# KiCad board ISA_PC104 Backplane.kicad_pcb (continued)
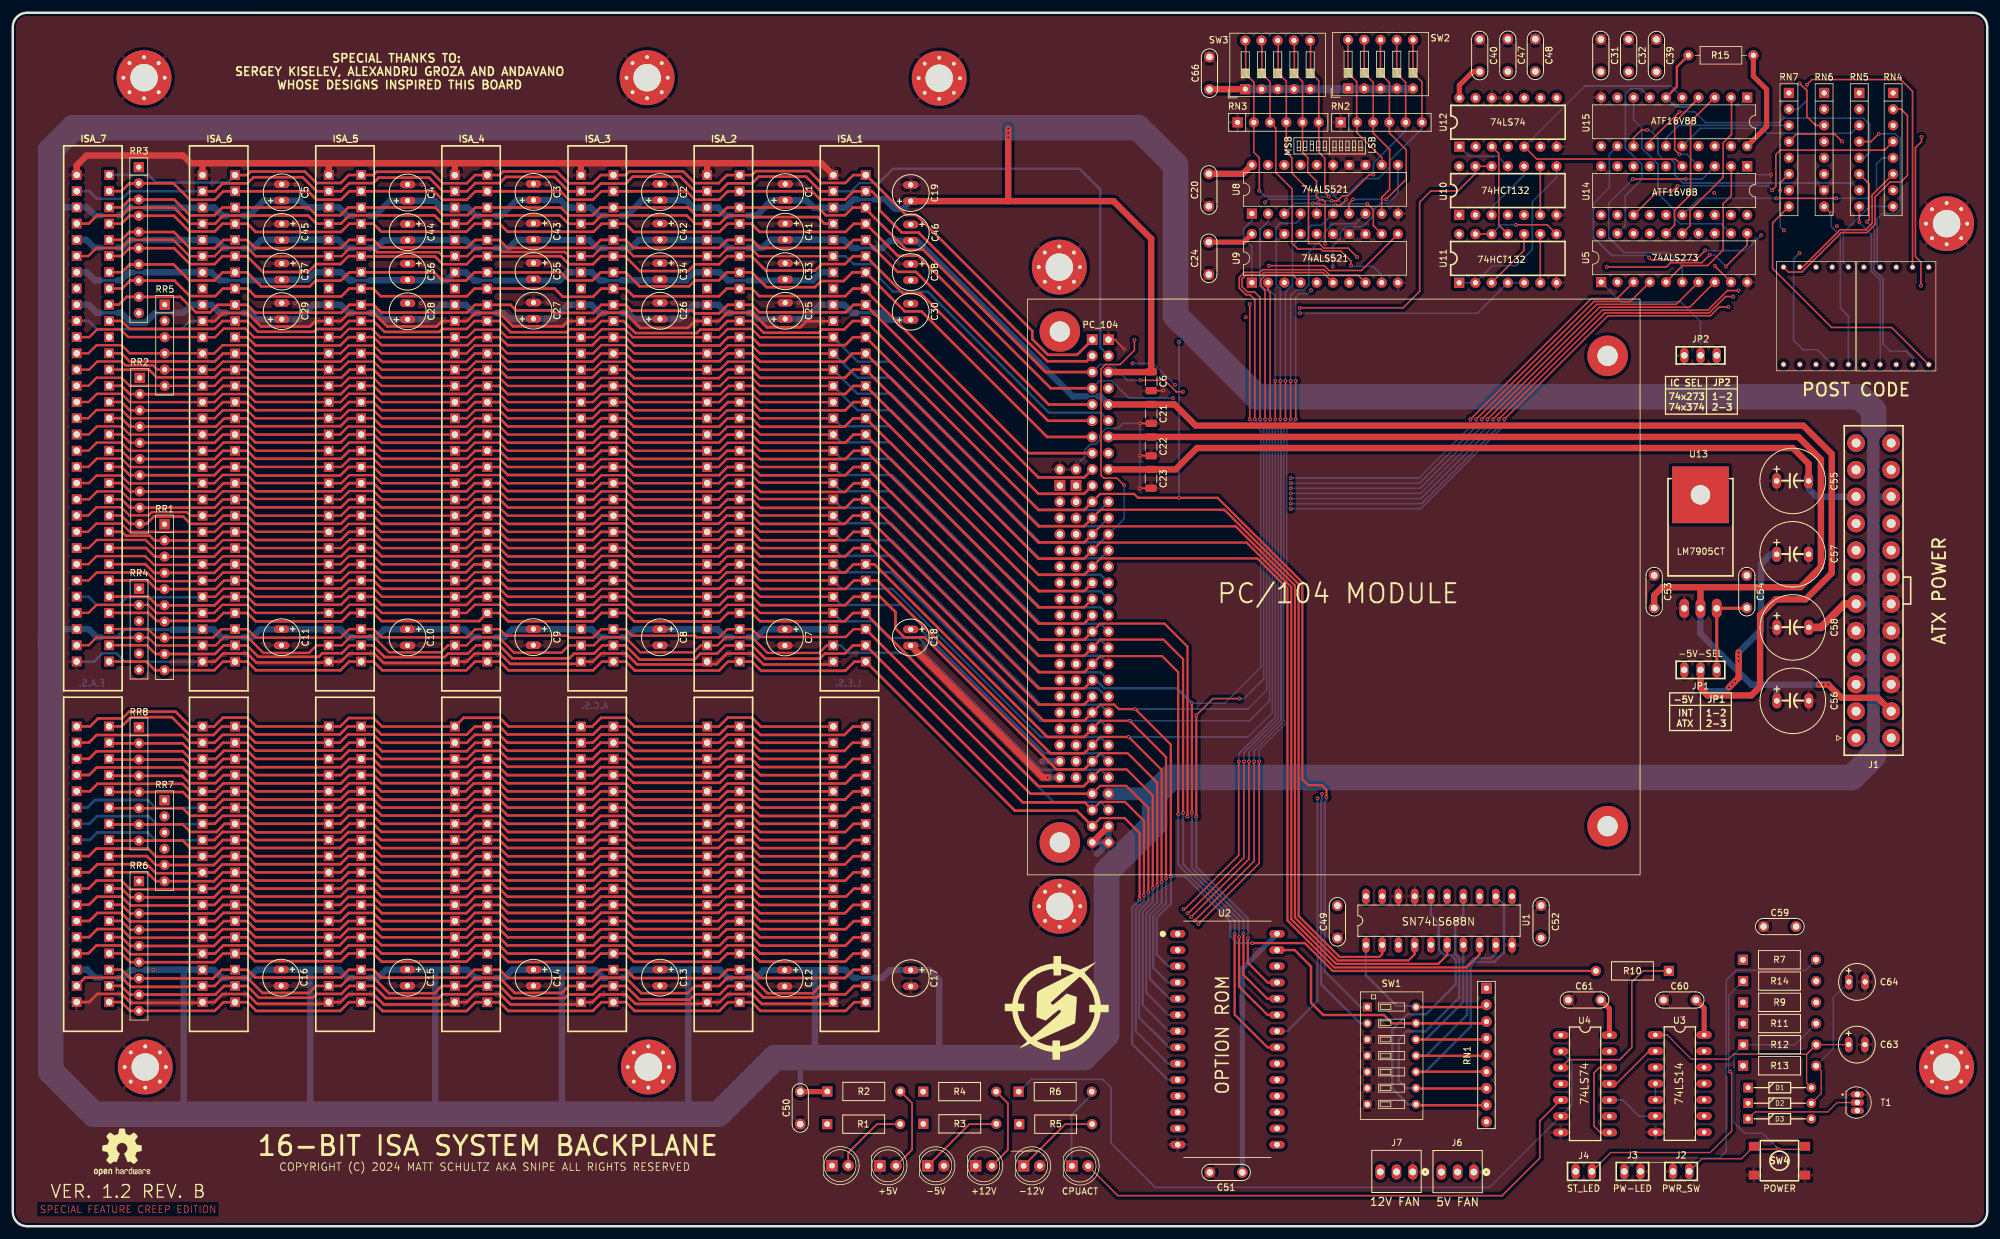
[diagram p0: board, top side]
## Routing (per net, layer and track width the routed paths; a pad name or vN(x,y) marks a point on that pad's centre or on a via; arc(x,y) is an arc through that point) (continued)
/LA22: length 184.2
  Top w0.42: ISA_1.83 131.51,73.18 130.24,71.91 116.92,71.91 115.65,73.18 ISA_2.83 111.78,73.18 110.52,71.92 97.14,71.92 95.88,73.18 ISA_3.83 92.01,73.18 90.79,71.96 77.43,71.96 76.21,73.18 ISA_4.83 72.34,73.18 71.09,71.93 57.65,71.93 56.39,73.19 ISA_5.83 52.66,73.19 51.36,71.89 38.04,71.89 36.75,73.18 ISA_6.83 32.94,73.18 31.65,71.89 27.84,71.89 26.65,73.08 15.2,73.08
  In1.Cu w0.42: PC_104.C3 165.15,109.64 158.78,109.64 144.09,94.95 144.09,75.94 141.33,73.18 ISA_1.83
/LA23: length 183.2
  Top w0.42: ISA_1.82 131.43,75.72 130.15,74.44 116.97,74.44 115.69,75.72 ISA_2.82 111.81,75.72 110.54,74.45 97.18,74.45 95.91,75.72 ISA_3.82 91.97,75.72 90.72,74.47 77.4,74.47 76.15,75.72 ISA_4.82 72.38,75.72 71.04,74.38 57.81,74.38 56.46,75.73 ISA_5.82 52.62,75.73 51.37,74.48 37.98,74.48 36.74,75.72 ISA_6.82 32.88,75.72 31.6,74.44 27.79,74.44 26.61,75.62 15.2,75.62
  In1.Cu w0.42: PC_104.C2 165.14,112.17 158.81,112.17 143.27,96.63 143.27,79.45 139.54,75.72 ISA_1.82
/LS47_PULLUP: length 35
  Top w0.25: v1(260.85,167.88) 260.11,168.62 260.11,172.89 263.84,176.61
  Top w0.378: U15.6 260.45,178.47 260.45,181.56 R15.1
  In2.Cu w0.25: 258.81,166.01 260.14,164.68 262.57,164.68 263.89,166.01
  Bottom w0.25: U15.4 262.35,175.28 260.25,175.28 U15.6 ; v1(260.85,167.88) 262.02,167.88 263.89,166.01
/MASTER: length 187.8
  Top w0.42: ISA_1.79 126.36,37.62 125.22,36.48 118.12,36.48 115.69,38.91 111.85,38.91 110.56,37.62 ISA_2.79 106.73,37.62 105.6,36.49 98.37,36.49 95.95,38.91 92.01,38.91 90.72,37.62 ISA_3.79 87.03,37.62 85.94,36.53 78.57,36.53 76.21,38.89 72.34,38.89 71.07,37.62 ISA_4.79 67.12,37.62 65.98,36.48 58.9,36.48 56.46,38.92 52.67,38.92 51.38,37.63 ISA_5.79 47.45,37.63 46.35,36.53 39.08,36.53 36.72,38.89 32.86,38.89 31.59,37.62 ISA_6.79 27.79,37.62 27.66,37.49 18.48,37.49 17.03,38.94 11.3,38.94 ISA_7.79
  In2.Cu w0.42: PC_104.D17 158.82,75.35 155.07,71.61 155.07,63.27 135.73,43.92 132.24,43.92 131,42.68 131,38.78 129.84,37.62 ISA_1.79
/OSC: length 185.6
  Top w0.378: ISA_6.30 31.75,90.96 33.06,92.27 36.74,92.27 39.23,89.78 46.35,89.78 47.54,90.97 ISA_5.30 51.5,90.97 52.87,92.34 56.43,92.34 58.89,89.88 67.01,89.88 68.09,90.96 ISA_4.30 71.03,90.96 72.3,92.23 76.04,92.23 78.44,89.83 85.9,89.83 87.03,90.96 ISA_3.30 90.94,90.96 92.21,92.23 95.86,92.23 98.21,89.88 106.58,89.88 107.66,90.96 ISA_2.30 110.31,90.96 111.59,92.24 115.67,92.24 118.13,89.78 126.2,89.78 127.38,90.96 ISA_1.30 ; 29.69,90.95 22.44,90.95 21.23,92.16 13.05,92.16 11.87,90.98 ISA_7.30
  Bottom w0.378: ISA_1.30 129.59,90.96 130.74,89.81 139.52,89.81 162.9,66.43 170.26,66.43 PC_104.B30
  Bottom w0.5: 20.9,92.23 18.5,92.23
/RDY/~{B}: length 67.8
  In2.Cu w0.378: U2.1 186.04,45.79 192.38,39.46 203.27,39.46 207.3,35.43 207.3,26.03 210.43,22.91 215.43,22.91 217.02,21.31 217.02,18.21 218.9,16.33 230.63,16.33
/RESET: length 281.6
  Top w0.25: v1(201.43,143.78) 201.48,143.83 217.6,143.83 220.2,146.43 220.2,160.38 221.95,162.13 226.18,162.13 228.92,164.87 U10.13 U10.12
  Top w0.42: ISA_3.2 87.03,162.08 84.78,164.33 77.18,164.33 76.21,163.36 72.38,163.36 71.1,162.08 ISA_4.2 67.29,162.08 65.14,164.23 57.29,164.23 56.42,163.36 52.64,163.36 51.37,162.09 ISA_5.2 47.54,162.09 45.35,164.28 37.67,164.28 36.71,163.32 32.89,163.32 31.65,162.08 ISA_6.2 ; 88.22,162.08 90.81,162.08 92.03,163.3 95.95,163.3 97.02,164.37 104.46,164.37 106.75,162.08 ISA_2.2 110.66,162.08 111.91,163.33 115.7,163.33 116.75,164.38 124.15,164.38 126.45,162.08 ISA_1.2
  In1.Cu w0.25: PC_104.B2 178.97,143.78 v1(201.43,143.78)
  Bottom w0.378: PC_104.B2 170.2,137.61 170.2,162.38 166.98,165.6 137.75,165.6 135.53,163.38 132.52,163.38 131.22,162.08 ISA_1.2
  Bottom w0.42: ISA_6.2 18.25,162.08 17.1,160.93 13.15,160.93 11.98,162.1 ISA_7.2
/SBHE: length 184.5
  Top w0.42: ISA_1.81 131.48,78.26 130.16,76.94 117.01,76.94 115.69,78.26 ISA_2.81 111.84,78.26 110.59,77.01 97.19,77.01 95.94,78.26 ISA_3.81 92.09,78.26 90.84,77.01 77.44,77.01 76.19,78.26 ISA_4.81 72.31,78.26 71.04,76.99 57.68,76.99 56.4,78.27 ISA_5.81 52.44,78.27 51.18,77.01 37.96,77.01 36.71,78.26 ISA_6.81 32.74,78.26 31.41,76.93 27.7,76.93 24.9,79.73 18.5,79.73 17.05,78.28 ISA_7.81
  In1.Cu w0.42: PC_104.C1 165.14,114.71 158.81,114.71 142.45,98.35 142.45,81.43 139.28,78.26 ISA_1.81
/TC: length 178.9
  Top w0.378: ISA_6.27 31.69,98.58 32.95,99.84 36.67,99.84 37.92,98.59 ISA_5.27 51.38,98.59 52.68,99.89 56.47,99.89 57.78,98.58 ISA_4.27 71.06,98.58 72.35,99.87 76.18,99.87 77.46,98.59 88.92,98.59 ; ISA_3.27 90.91,98.58 92.14,99.81 95.97,99.81 97.2,98.58 ISA_2.27 110.54,98.58 111.83,99.87 115.68,99.87 116.97,98.58 ISA_1.27
  Bottom w0.378: PC_104.B27 170.23,74.08 161.49,74.08 142.33,93.24 142.33,94.08 139.13,97.28 129.72,97.28 ISA_1.27 ; ISA_7.27 11.85,98.6 13.11,97.34 16.71,97.34 17.87,98.5 29.62,98.5
/~{DACK0}: length 181.9
  Top w0.42: ISA_6.70 31.57,60.48 32.83,61.74 36.7,61.74 37.95,60.49 ISA_5.70 51.28,60.49 52.5,61.71 56.44,61.71 57.68,60.48 ISA_4.70 71.06,60.48 72.35,61.77 76.22,61.77 77.51,60.48 ISA_3.70 90.76,60.48 92.02,61.74 95.92,61.74 97.18,60.48 ISA_2.70 110.5,60.48 111.8,61.78 115.68,61.78 116.98,60.48 ISA_1.70
  In2.Cu w0.42: PC_104.D8 158.78,98.21 148.51,87.95 148.51,77.4 135.4,64.28 132.22,64.28 ISA_1.70
  Bottom w0.42: ISA_7.70 12.07,60.5 13.24,61.67 21.11,61.67 22.34,60.44 29.66,60.44
/~{DACK1}: length 178.5
  Top w0.378: ISA_1.17 116.98,123.98 115.75,125.21 111.81,125.21 110.58,123.98 ISA_2.17 97.22,123.98 95.95,125.25 92.1,125.25 90.83,123.98 ISA_3.17 77.49,123.98 76.21,125.26 72.25,125.26 70.97,123.98 ISA_4.17 57.72,123.98 56.46,125.24 52.49,125.24 51.24,123.99 ISA_5.17 38,123.99 36.73,125.26 32.85,125.26 31.57,123.98 ISA_6.17 18.29,123.98 17.01,125.26 13.16,125.26 11.9,124 ISA_7.17
  Bottom w0.378: PC_104.B17 170.25,99.46 160.72,99.46 137.42,122.76 129.64,122.76 ISA_1.17
/~{DACK2}: length 178.5
  Top w0.378: ISA_7.26 11.88,101.14 13.12,102.38 21,102.38 22.35,101.03 29.61,101.03 ; ISA_1.26 116.95,101.12 115.66,102.41 111.74,102.41 110.45,101.12 ISA_2.26 97.18,101.12 95.92,102.38 92.12,102.38 90.86,101.12 ISA_3.26 77.53,101.12 76.23,102.42 72.31,102.42 71.01,101.12 ISA_4.26 57.7,101.12 56.41,102.41 52.67,102.41 51.39,101.13 ISA_5.26 37.94,101.13 36.69,102.38 32.92,102.38 31.66,101.12 ISA_6.26
  Bottom w0.378: PC_104.B26 170.22,76.63 160.85,76.63 137.65,99.83 129.71,99.83 ISA_1.26
/~{DACK3}: length 185.4
  Top w0.378: ISA_1.15 116.98,129.06 115.7,130.34 111.85,130.34 110.57,129.06 ISA_2.15 97.19,129.06 95.93,130.32 92.05,130.32 90.79,129.06 ISA_3.15 77.46,129.06 76.21,130.31 72.34,130.31 71.09,129.06 ISA_4.15 57.73,129.06 56.42,130.37 52.61,130.37 51.31,129.07 ISA_5.15 37.95,129.07 36.7,130.32 32.84,130.32 31.58,129.06 ISA_6.15 18.32,129.06 17.02,130.36 13.16,130.36 11.88,129.08 ISA_7.15
  In1.Cu w0.378: ISA_1.15 130.39,129.06 131.66,127.79 141.88,127.79 152.39,117.28 167.4,117.28 167.7,116.98 167.7,105.23 168.38,104.56 170.24,104.56 PC_104.B15
/~{DACK5}: length 181.9
  Top w0.42: ISA_1.72 116.97,55.4 115.69,56.68 111.75,56.68 110.47,55.4 ISA_2.72 97.2,55.4 95.94,56.66 92.04,56.66 90.78,55.4 ISA_3.72 77.47,55.4 76.22,56.65 72.46,56.65 71.21,55.4 ISA_4.72 57.65,55.4 56.38,56.67 52.58,56.67 51.32,55.41 ISA_5.72 37.95,55.41 36.71,56.65 32.79,56.65 31.54,55.4 ISA_6.72 ; 29.58,55.28 22.4,55.28 20.99,56.69 13.25,56.69 11.98,55.42 ISA_7.72
  In2.Cu w0.42: 128.47,55.4 132.28,59.21 135.43,59.21 150.16,73.94 150.16,84.54 158.75,93.13 PC_104.D10
/~{DACK6}: length 182
  Top w0.42: ISA_6.74 31.57,50.32 32.83,51.58 36.73,51.58 37.98,50.33 ISA_5.74 51.25,50.33 52.5,51.58 56.42,51.58 57.68,50.32 ISA_4.74 71.07,50.32 72.34,51.59 76.19,51.59 77.46,50.32 ISA_3.74 90.75,50.32 92.04,51.61 95.91,51.61 97.2,50.32 ISA_2.74 110.44,50.32 111.7,51.58 115.67,51.58 116.93,50.32 ISA_1.74 ; ISA_7.74 11.93,50.34 13.2,51.61 17.02,51.61 18.4,50.23 29.61,50.23
  In2.Cu w0.42: PC_104.D12 158.72,88.05 151.79,81.13 151.79,70.48 135.45,54.13 132.23,54.13 ISA_1.74
/~{DACK7}: length 182.1
  Top w0.42: 29.64,45.18 18.38,45.18 17.02,46.54 13.23,46.54 11.95,45.26 ISA_7.76 ; ISA_6.76 31.56,45.24 32.83,46.51 36.7,46.51 37.96,45.25 ISA_5.76 51.24,45.25 52.54,46.55 56.43,46.55 57.74,45.24 ISA_4.76 71.05,45.24 72.32,46.51 76.2,46.51 77.47,45.24 ISA_3.76 90.77,45.24 92.04,46.51 95.87,46.51 97.14,45.24 ISA_2.76 110.44,45.24 111.71,46.51 115.69,46.51 116.96,45.24 ISA_1.76
  In2.Cu w0.42: PC_104.D14 158.67,82.97 153.44,77.74 153.44,67.02 135.5,49.08 132.26,49.08 ISA_1.76
/~{IOCS16}: length 182.1
  Top w0.42: ISA_7.64 11.92,75.74 13.11,76.93 26.55,76.93 27.76,75.72 ISA_6.64 31.59,75.72 32.83,76.96 36.74,76.96 37.97,75.73 ISA_5.64 51.19,75.73 52.47,77.01 56.44,77.01 57.73,75.72 ISA_4.64 71.07,75.72 72.31,76.96 76.18,76.96 77.42,75.72 ISA_3.64 90.78,75.72 92.05,76.99 95.93,76.99 97.2,75.72 ISA_2.64 110.58,75.72 111.86,77 115.64,77 116.92,75.72 ISA_1.64
  In2.Cu w0.42: PC_104.D2 158.87,113.45 143.59,98.18 143.59,87.28 135.9,79.59 132.28,79.59 ISA_1.64
/~{IOR}: length 179.5
  Top w0.378: ISA_7.14 11.86,131.62 13.12,132.88 17.03,132.88 18.29,131.62 29.68,131.62 ; ISA_6.14 31.57,131.6 32.85,132.88 36.71,132.88 37.98,131.61 ISA_5.14 51.39,131.61 52.64,132.86 56.46,132.86 57.72,131.6 ISA_4.14 71.06,131.6 72.33,132.87 76.2,132.87 77.47,131.6 ISA_3.14 90.82,131.6 92.06,132.84 95.92,132.84 97.16,131.6 ISA_2.14 110.7,131.6 111.97,132.87 115.69,132.87 116.96,131.6 ISA_1.14
  Bottom w0.378: PC_104.B14 170.25,104.58 160.7,104.58 137.5,127.78 132.24,127.78 ISA_1.14
/~{IOW}: length 281.8
  Top w0.25: v1(175.55,138.78) 175.55,137.18 173.31,134.95 171.01,134.95 170.32,134.26 170.32,117.61 170.77,117.17 172.81,117.17 v1(173.95,116.03)
  Top w0.378: 29.68,134.16 22.62,134.16 21.98,134.8 17.65,134.8 17.02,135.43 13.23,135.43 11.96,134.16 ISA_7.13 ; ISA_1.13 116.95,134.14 115.69,135.4 111.93,135.4 110.67,134.14 ISA_2.13 97.19,134.14 95.94,135.39 92.16,135.39 90.91,134.14 ISA_3.13 77.46,134.14 76.2,135.4 72.47,135.4 71.21,134.14 ISA_4.13 57.75,134.14 56.49,135.4 52.52,135.4 51.26,134.14 49.46,134.14 ; ISA_5.13 37.97,134.15 36.72,135.4 32.87,135.4 31.61,134.14 ISA_6.13
  In1.Cu w0.25: v1(175.55,138.78) 179.75,142.98 v1(201.43,142.98)
  Bottom w0.25: U11.5 U11.4 229.22,142.98 v1(201.43,142.98) ; PC_104.B13 173.95,110.82 v1(173.95,116.03)
  Bottom w0.378: PC_104.B13 170.21,107.08 160.8,107.08 137.5,130.38 132.18,130.38 ISA_1.13
/~{MEMCS16}: length 183.3
  Top w0.42: ISA_7.63 12.1,78.28 13.35,79.53 17.15,79.53 18.2,80.58 25.5,80.58 27.82,78.26 ISA_6.63 31.51,78.26 32.9,79.65 36.73,79.65 38.11,78.27 ISA_5.63 51.27,78.27 52.58,79.58 56.47,79.58 57.79,78.26 ISA_4.63 70.56,79.63 76.22,79.63 77.59,78.26 ISA_3.63 90.71,78.26 92.07,79.62 95.95,79.62 97.31,78.26 ISA_2.63 110.51,78.26 111.9,79.65 115.68,79.65 117.08,78.25 128.41,78.25
  In2.Cu w0.42: 128.48,78.26 132.2,81.98 135.6,81.98 142.78,89.16 142.78,99.91 158.86,115.99 PC_104.D1
/~{MEMR}: length 290.3
  Top w0.42: ISA_1.89 131.53,57.94 130.23,56.64 116.98,56.64 115.68,57.94 ISA_2.89 111.78,57.94 110.47,56.63 97.23,56.63 95.92,57.94 ISA_3.89 91.98,57.94 90.74,56.7 77.45,56.7 76.21,57.94 ISA_4.89 72.43,57.94 71.18,56.69 57.72,56.69 56.46,57.95 ISA_5.89 52.53,57.95 51.27,56.69 37.96,56.69 36.71,57.94 ISA_6.89 32.85,57.94 31.48,56.57 31.48,56.57 28.53,56.57 28.53,56.57 22.39,56.57 21,57.96 ISA_7.89
  In1.Cu w0.42: PC_104.C9 165.16,94.41 158.78,94.41 149.01,84.64 149.01,65.62 141.33,57.94 ISA_1.89
  In2.Cu w0.35: PC_104.C9 165.18,94.43 165.18,92.62 165.91,91.89 201.63,91.89 204.39,89.13 204.39,68.16 204.22,67.99 v1(204.22,67.03)
  Bottom w0.35: v1(204.22,67.03) 204.22,35.3 199.47,30.55 198.48,30.55
/~{MEMW}: length 286.7
  Top w0.42: ISA_1.90 131.58,55.4 130.28,54.1 116.96,54.1 115.66,55.4 ISA_2.90 111.77,55.4 110.53,54.16 97.18,54.16 95.94,55.4 ISA_3.90 92.07,55.4 90.81,54.14 77.41,54.14 76.15,55.4 ISA_4.90 72.47,55.4 71.17,54.1 57.78,54.1 56.47,55.41 ISA_5.90 52.58,55.41 51.31,54.14 37.97,54.14 36.71,55.4 ISA_6.90 32.86,55.4 31.49,54.03 31.49,54.03 28.53,54.03 28.53,54.03 22.42,54.03 21.03,55.42 ISA_7.90
  In1.Cu w0.42: ISA_1.90 141.33,55.4 149.83,63.9 149.83,82.89 158.79,91.85 165.14,91.85 PC_104.C10
  In2.Cu w0.35: PC_104.C10 167.72,94.43 199.9,94.43 204.96,89.37 204.96,67.76
  In2.Cu w0.42: v1(204.91,67.71) 204.96,67.76
  Bottom w0.35: 211.65,31.78 210.9,31.78 204.77,37.91 204.77,66.63 204.91,66.77 v1(204.91,67.71)
/~{PS_ON}: length 117.8
  In1.Cu w0.3: U4.9 251.84,17.22 253.57,18.96 253.57,21.93 255.2,23.56 266.23,23.56 267.55,24.88 267.55,63.96 270.43,66.83 295.88,66.83 298.5,69.46 298.5,87.08 296.52,89.06 J1.16
/~{REFRESH}: length 178.5
  Top w0.378: ISA_7.19 11.85,118.92 13.15,120.22 17.02,120.22 18.34,118.9 ISA_6.19 31.52,118.9 32.8,120.18 36.72,120.18 37.99,118.91 ISA_5.19 51.46,118.91 52.73,120.18 56.47,120.18 57.75,118.9 ISA_4.19 71.03,118.9 72.29,120.16 76.2,120.16 77.46,118.9 ISA_3.19 90.82,118.9 92.06,120.14 95.94,120.14 97.18,118.9 ISA_2.19 110.48,118.9 111.75,120.17 115.5,120.17 116.77,118.9 ISA_1.19
  Bottom w0.378: ISA_1.19 129.68,117.64 137.64,117.64 160.9,94.38 170.25,94.38 PC_104.B19
/~{RESET}: length 8.9
  Bottom w0.25: U10.11 232.42,167.58 227.91,167.58 U12.1
/~{ROMCS}: length 38.3
  In1.Cu w0.2: U2.20 200.64,25.47 202.35,27.18 202.35,29.51 204.02,31.18 207.68,31.18 209.9,33.41 209.9,48.38 210.8,49.28 213.5,49.28 214.31,50.09 214.31,51.64
/~{ROMW}: length 40.1
  Top w0.378: 219.38,31.77 215.92,31.77 214.6,33.08 205.1,33.08 203.2,34.98 203.2,40.68 200.63,43.25 U2.27 ; 230.38,31.78 219.89,31.78
/~{SMEMR}: length 179.5
  Top w0.378: ISA_7.12 11.83,136.7 13.11,137.98 17.03,137.98 18.3,136.71 29.67,136.71 ; ISA_1.12 116.93,136.68 115.65,137.96 111.97,137.96 110.69,136.68 ISA_2.12 97.26,136.68 95.95,137.99 92.12,137.99 90.81,136.68 ISA_3.12 77.41,136.68 76.16,137.93 72.28,137.93 71.03,136.68 ISA_4.12 57.73,136.68 56.47,137.94 52.57,137.94 51.32,136.69 ISA_5.12 37.99,136.69 36.71,137.97 32.83,137.97 31.54,136.68 ISA_6.12
  Bottom w0.378: ISA_1.12 132.22,132.88 137.5,132.88 160.75,109.63 170.22,109.63 PC_104.B12
/~{SMEMW}: length 179.5
  Top w0.378: 29.67,139.25 18.06,139.25 16.85,140.46 13.2,140.46 11.98,139.24 ISA_7.11 ; ISA_1.11 116.98,139.22 115.69,140.51 111.88,140.51 110.59,139.22 ISA_2.11 97.05,139.22 95.79,140.48 92.18,140.48 90.92,139.22 ISA_3.11 77.34,139.22 76.15,140.41 72.34,140.41 71.15,139.22 ISA_4.11 57.52,139.22 56.21,140.53 52.61,140.53 51.31,139.23 ISA_5.11 37.75,139.23 36.4,140.58 33.02,140.58 31.66,139.22 ISA_6.11
  Bottom w0.378: PC_104.B11 170.23,112.18 160.6,112.18 137.4,135.38 132.26,135.38 ISA_1.11
Net-(D1-A): length 40.4
  Top w0.2: U3.1 258.94,29.96 262.72,26.17 268.55,26.17 269.34,26.96 280.8,26.96 R12.2 280.76,26.92 280.76,22.45 D1.2 ; 282.28,28.44 C63.1
Net-(D2-A): length 48.4
  Top w0.2: R13.2 283.05,24.33 283.05,20.8 D2.2
  In2.Cu w0.2: 257.09,24.85 258.31,23.63 280.75,23.63 R13.2
  Bottom w0.2: R13.2 284.91,27.79 284.91,35.79 C64.1
Net-(D3-A): length 20.1
  In2.Cu w0.2: R9.2 284.09,33.22 284.09,19.41 281.49,16.81
Net-(D3-K): length 18.2
  Top w0.2: D3.1 272.68,17.9 284.06,17.9 285.53,19.37 T1.2
Net-(J2-Pin_2): length 58.8
  Top w0.2: v1(276.39,12.04) 272.98,12.04 SW4.2 ; v1(276.39,12.04) 275.92,12.51 ; v1(276.39,12.04) 272.04,12.04 270.56,10.56 264.37,10.56 J2.2 ; v1(276.39,12.04) 280.04,12.04 SW4.2
  Bottom w0.2: R11.2 278.93,28.42 R12.1 269.41,27 269.41,16.23 271.07,14.57 273.86,14.57 v1(276.39,12.04)
Net-(J3-Pin_1): length 59.4
  Bottom w0.2: J3.1 254.33,10.68 267.13,10.68 268.18,11.73 268.18,38.51 269.78,40.11 280.6,40.11 R7.2
Net-(J4-Pin_1): length 49.1
  Top w0.2: v1(268.78,24.23) 269.05,23.96 269.05,14.92 265.67,11.54 250.11,11.54 J4.1
  Bottom w0.2: v1(268.78,24.23) 268.58,24.43 268.58,36.16 R14.1
Net-(J4-Pin_2): length 168.2
  In1.Cu w0.3: STANDBY1.1 133.2,4.51 240.54,4.51 J4.2 248.8,12.77 275.84,12.77 275.84,12.77 280.69,12.77 286.02,18.1 T1.3
Net-(JP2-Pin_2): length 23.4
  Bottom w0.25: U5.1 251.73,144.73 261.1,144.73 264.16,141.67 JP2.2
Net-(LED2-A): length 13.2
  Top w0.3: 138.4,9.62 140.75,11.97 140.75,19.3 138.97,21.08
Net-(LED3-K): length 13.5
  Top w0.3: LED3.1 149.73,15.99 153.96,15.99
Net-(LED4-A): length 13.3
  Top w0.3: R4.2 155.75,19.25 155.75,11.97 153.3,9.52
Net-(LED5-K): length 13.4
  Top w0.3: LED5.1 164.73,15.99 168.92,15.99
Net-(LED6-A): length 85.5
  Top w0.25: U4.5 239,16.48 239,10.68 233.1,4.78 172.96,4.78 LED6.2
Net-(LED6-K): length 12.6
  Bottom w0.3: 165.7,9.46 165.7,17.45 168.93,20.68
Net-(R1--): length 12
  Top w0.3: R1.2 135.25,15.99 130.75,11.5 STANDBY1.2
Net-(R6-+): length 113.6
  Bottom w0.25: U4.6 244,18.94 244,25.66 U4.2 ; 157.5,21.08 159.43,23.01 170.57,23.01 171.9,21.68 171.9,12.98 178.8,6.08 231.14,6.08 242.06,17.01
Net-(R10-+): length 29.2
  Top w0.25: U4.3 243.52,26.08 251.5,26.08 253.4,27.98 253.4,38.23 255.15,39.98 R10.1
Net-(U1-*G): length 25.6
  Top w0.378: 230.31,34.32 219.88,34.32
  Bottom w0.378: 211.77,44.69 211.77,39.31 216.58,34.5 219.57,34.5
Net-(U1-Q2): length 29.3
  Top w0.378: 219.75,29.24 230.46,29.24
  Bottom w0.378: 227.01,44.02 227.01,35.09 221.14,29.23 219.77,29.23
Net-(U1-Q3): length 35.5
  Top w0.378: 230.52,26.69 219.9,26.69
  Bottom w0.378: 219.77,26.69 221.2,26.69 227.6,33.08 227.6,40.9 228.68,41.98 231.4,41.98 232.12,42.7 U1.9
Net-(U1-Q4): length 47
  Top w0.378: 219.82,24.2 RN1.6
  Bottom w0.378: U1.12 233.4,50.38 233.4,42.88 231.92,41.4 228.92,41.4 228.18,40.66 228.18,31.26 221.06,24.15 219.77,24.15
Net-(U1-Q5): length 49.2
  Top w0.378: 230.63,21.57 219.81,21.57
  Bottom w0.378: U1.14 227.04,48.82 225.8,47.58 225.8,42.6 226.43,41.97 226.43,35.81 221.12,30.51 218.12,30.51 216.9,29.28 216.9,22.81 218.1,21.61 219.45,21.61
Net-(U1-Q6): length 53.7
  Top w0.378: 219.57,18.95 230.63,18.95
  Bottom w0.378: 219.38,19.07 218.42,19.07 215.9,21.58 215.9,30.78 218.3,33.18 221.2,33.18 225.85,37.84 225.85,41.73 225.12,42.46 224.09,42.46 223.2,43.34 223.2,47.48 221.95,48.73 U1.16
Net-(U3-Pad4): length 2.5
  Bottom w0.25: 257.09,22.31 257.09,19.77
Net-(U4B-C): length 8.3
  Top w0.25: 256.08,27.39 251,22.3 U4.11
Net-(U4B-D): length 13.9
  Top w0.25: U4.8 248.48,14.68 247.48,15.68 247.48,24.03 248.29,24.84 U4.12
Net-(U4B-~{S}): length 8.2
  Bottom w0.25: 257.09,17.23 254.52,17.23 252,19.76 U4.10
Net-(U8-~{P=R}): length 35.4
  In2.Cu w0.25: 225.88,157.88 220.6,157.88 214.75,163.73 198.95,163.73 U8.19 ; U10.1 U10.2
Net-(U9-~{P=R}): length 49.2
  In2.Cu w0.25: U10.5 U10.4 232.88,157.26 220.32,157.26 214.5,163.08 198.85,163.08 197.89,162.13 197.89,156.82 U9.19
Net-(U10-Pad6): length 7.6
  Top w0.25: U10.6 U10.9
Net-(U10-Pad8): length 28.2
  Bottom w0.25: U11.1 U11.2 231.59,150.43 235.3,150.43 237.85,152.98 237.85,160.48 241.62,164.25 U10.8
Net-(U10-Pad10): length 9.7
  Bottom w0.25: U10.3 231.46,159.54 236.54,164.62 U10.10
Net-(U11-Pad6): length 7.6
  Top w0.25: U11.6 U11.9
Net-(U11-Pad10): length 9.7
  Top w0.25: U11.3 236.54,152.84 U11.10
Net-(U11-Pad12): length 13.9
  Top w0.25: U11.8 240.17,156.83 v1(235.25,156.83) ; U11.13 U11.12
  Bottom w0.25: U11.12 232.91,156.83 v1(235.25,156.83)
Net-(U13-OUT): length 14.3
  Top w0.5: JP1.1 U13.3 271.33,96.77

## Copper pours and planes (outline as drawn; the poured copper is in the pictures)
+5V on In2.Cu: 173.55,189.98 173.35,-0.02 309,-0.02 309,190.03
+5VSB on In1.Cu: 173.35,2.71 120.8,2.78 120.8,22.73 173.35,22.78
+5VSB on In1.Cu: 293.07,2.56 292.88,58.21 173.35,58.06 173.35,22.78 120.8,22.73 120.8,2.78
GND on Top: 309,190.03 0,189.98 0,0.03 309,-0.02
GND on Bottom: 309,190.03 0,189.98 0,-0.02 309,-0.02

## Text on the board
Bottom: E.A.S. | A.C.S. | L.E.S.
Top: SPECIAL FEATURE CREEP EDITION
F.Mask: SPECIAL FEATURE CREEP EDITION
F.Silkscreen: MSB | LSB | IC SEL | 74x273 | 74x374 | -5V | ATX | INT | 1-2 | 2-3 | JP1 | JP2 | COPYRIGHT (C) 2024 MATT SCHULTZ AKA SNIPE ALL RIGHTS RESERVED | SPECIAL THANKS TO: / SERGEY KISELEV, ALEXANDRU GROZA AND ANDAVANO / WHOSE DESIGNS INSPIRED THIS BOARD | VER. 1.2 REV. B | OPTION ROM | POST CODE | PC/104 MODULE | 16-BIT ISA SYSTEM BACKPLANE
